# Altium PCB OneBox.PcbDoc (part 4 of 13)
Units mm, origin at the board's own origin, x right, y up, seen from the top; angles counter-clockwise.
Board outline 101 x 69 mm, 6 copper layers (L1_Sig, L2_Gnd, L3_Pow, L4_Sig, L5_Gnd, L6_Sig), stack 1.538 mm thick; 766 components, 563 nets, 3133 pads, 2914 vias.
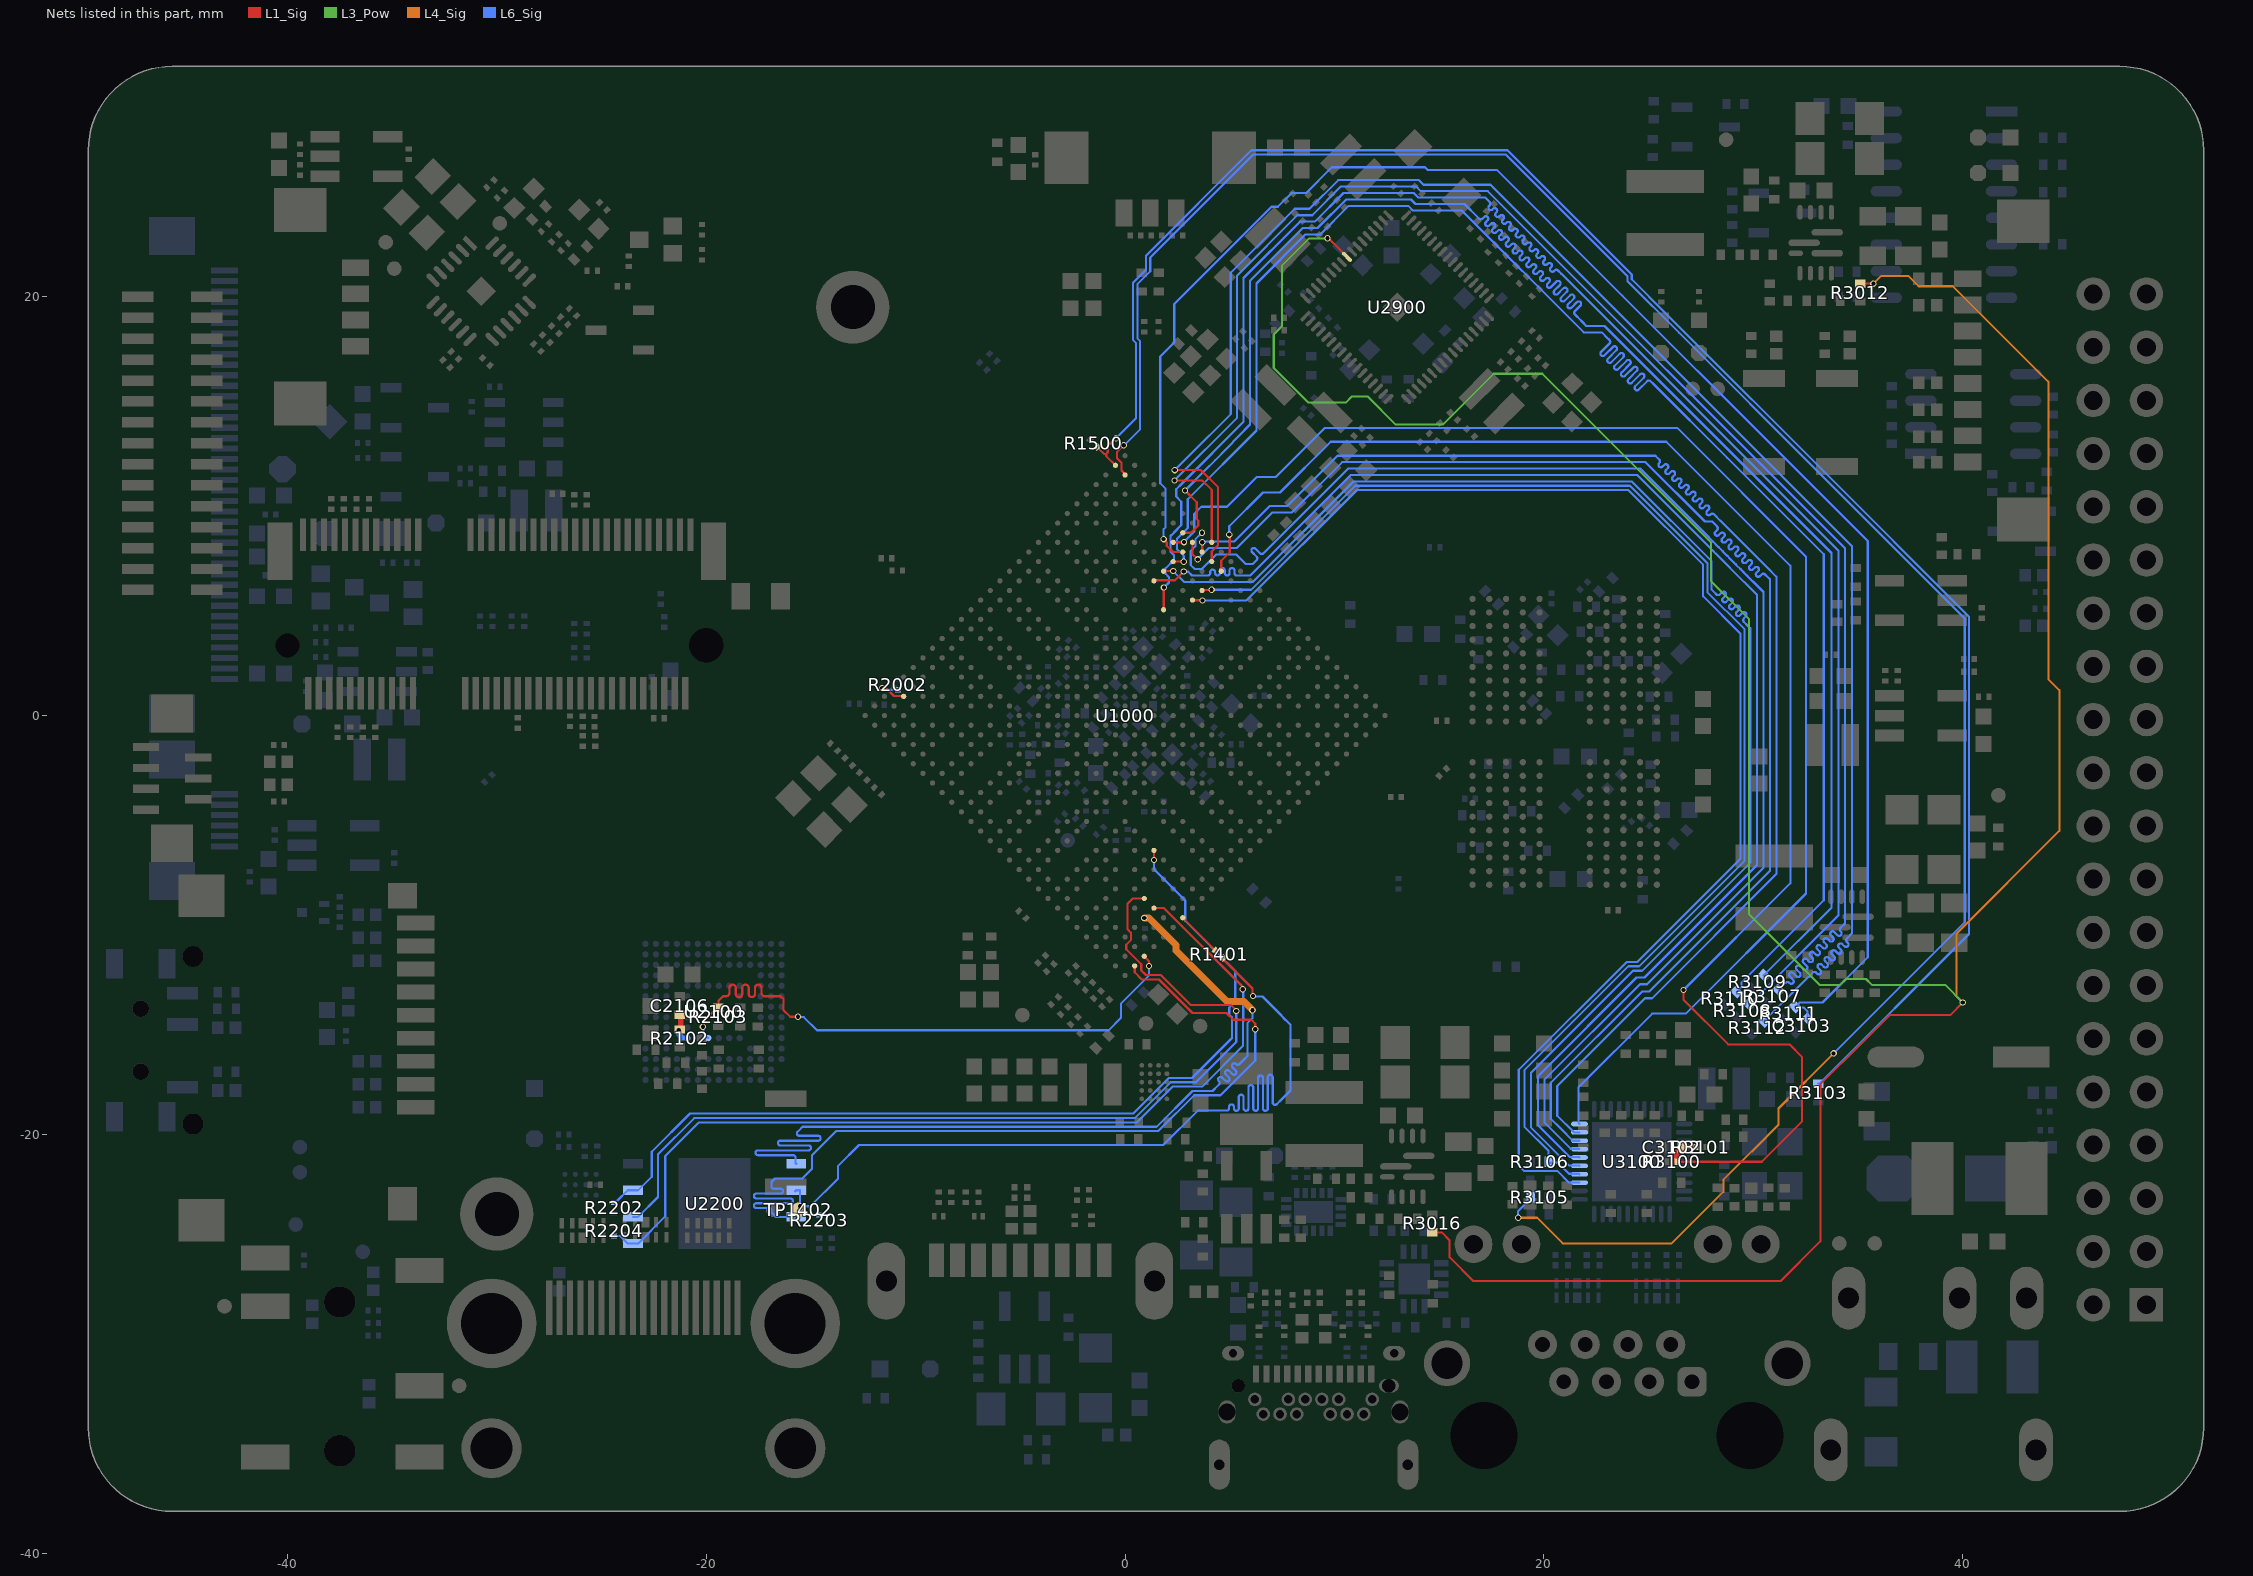
[diagram p8: the nets of this part, all layers, seen from the top]

## Via types
v1: diameter 0.3, hole 0.2, L1_Sig to L6_Sig, tented both sides, 2711 vias
v2: diameter 0.5, hole 0.3, L1_Sig to L6_Sig, tented both sides, 199 vias
v3: diameter 0.305, hole 0.203, L1_Sig to L6_Sig, tented both sides, 4 vias

## Nets (pads, with @x,y where several pads share a name; then routed paths per layer and width w, separated by ;. In a path a pad name is that pad's centre, name@x,y a point inside that pad or via, vN(x,y) a via of type N, cw(c..) or ccw(c..) an arc to the next point about the centre after c; other vN are vias at no path point) (continued)
eMMC_DATA_STROBE/FLASH_CLE: R2103.1 U1000.A26 U2100.H5 | length 29.1
  L1_Sig w0.104: v1(-20.16,-14.86) -20.16,-14.628 -19.61,-14.078 -19.61,-14.07 -19.462,-13.922 -19.412,-13.922 -19.412,-13.61 -19.202,-13.4 -19.1,-13.4 -19.048,-13.4 ccw(c-19.048,-13.246) -18.894,-13.246 -18.894,-12.997 cw(c-18.741,-12.997) -18.587,-12.997 -18.587,-13.283 ccw(c-18.433,-13.283) -18.28,-13.283 -18.28,-12.997 cw(c-18.126,-12.997) -17.972,-12.997 -17.972,-13.283 ccw(c-17.819,-13.283) -17.665,-13.283 -17.665,-12.997 cw(c-17.511,-12.997) -17.358,-12.997 -17.358,-13.246 ccw(c-17.204,-13.246) -17.204,-13.4 -16.603,-13.4 -16.429,-13.4 -16.306,-13.524 -16.306,-14.062 -15.986,-14.381 v1(-15.618,-14.381) ; U1000.A26@0.919,-11.491 0.919,-11.505 1.147,-11.733 v1@1.147,-11.956
  L6_Sig w0.104: v1(-20.16,-14.86) -20.132,-14.888 -20.132,-15.168 U2100.H5@-19.9,-15.4 ; v1(-15.618,-14.381) -15.604,-14.395 -15.339,-14.395 -14.71,-15.024 -0.784,-15.024 -0.2,-14.441 -0.2,-13.755 1.15,-12.405 1.15,-11.959 v1(1.148,-11.957)
eMMC_RSTn: C2106.1 R2102.1 U2100.K5 | length 1.5
  L1_Sig w0.254: v1(-21.31,-15.027) -21.294,-15.011 -21.239,-15.011 R2102.1@-21.195,-14.967 ; R2102.1@-21.223,-14.94 -21.211,-14.928 -21.211,-14.311 C2106.1@-21.15,-14.25
  L6_Sig w0.254: v1(-21.31,-15.027) -21.301,-15.036 -21.301,-15.233 -21.138,-15.395 -20.905,-15.395 U2100.K5@-20.9,-15.4
eMMC_RSTn/FSPI_D2/FLASH_WPn: R2202.2 U1000.F20 U2200.3 | length 44.2
  L1_Sig w0.104: v1(1.379,-6.894) U1000.F20@1.379,-6.435
  L6_Sig w0.104: R2202.2@-24.4,-23.25 -24.327,-23.177 -24.262,-23.177 -23.75,-22.665 -23.25,-22.665 -22.6,-22.015 -22.6,-20.825 -20.775,-19 0.395,-19 2.091,-17.304 3.196,-17.304 5.107,-15.393 5.107,-14.408 4.979,-14.281 4.979,-13.952 5.263,-13.668 5.263,-12.19 2.87,-9.797 2.87,-8.825 1.379,-7.333 v1(1.379,-6.894)
EXT_EN: R3012.2 R3016.2 U2900.60 | length 146.3
  L1_Sig w0.102: v1(9.666,22.789) 9.711,22.789 U2900.60@10.596,21.904 ; R3016.2@14.671,-24.676 15.116,-24.676 15.5,-25.06 15.5,-25.867 16.633,-27 31.3,-27 33.2,-25.1 33.2,-17.6 35.234,-15.566 36.5,-14.3 39.4,-14.3 v1(40,-13.7) ; R3012.2@35.15,20.625 35.152,20.627 v1(35.73,20.627)
  L1_Sig w0.152: R3012.2@35.1,20.625 R3012.2@35.15,20.625
  L3_Pow w0.102: v1(9.666,22.789) 8.789,22.789 7.5,21.5 7.5,18.6 7.1,18.2 7.1,16.6 8.757,14.943 10.538,14.943 10.83,15.234 11.589,15.234 12.928,13.895 15.174,13.895 17.6,16.321 19.923,16.321 27.97,8.274 27.97,6.43 29.8,4.6 29.8,-9.5 33.158,-12.858 34.142,-12.858 34.423,-12.577 35.377,-12.577 35.658,-12.858 39.158,-12.858 v1(40,-13.7)
  L4_Sig w0.102: v1(35.73,20.627) 36.1,20.997 37.403,20.997 37.9,20.5 39.524,20.5 44.084,15.94 44.084,1.743 44.611,1.215 44.611,-5.501 39.7,-10.413 39.7,-13.4 v1(40,-13.7)
FLASH_VOL_SEL: R2002.1 U1000.AG25 | length 2
  L1_Sig w0.102: v1(-11.593,1.319) -11.555,1.281 -11.379,1.281 -11.034,0.935 -10.587,0.935 U1000.AG25@-10.571,0.919
  L6_Sig w0.102: v1(-11.593,1.319) -11.555,1.281 -11.483,1.281 -11.436,1.234 R2002.1@-10.843,1.234
FSPI_CLK/FLASH_ALE: R1401.1 TP1402.1 U2200.6 | length 45
  L1_Sig w0.104: R1401.1@4.677,-11.577 4.677,-11.622 6.083,-13.028 6.083,-13.359 v1(6.11,-13.386)
  L6_Sig w0.104: U2200.6@-15.745,-22.71 U2200.6@-15.7,-22.665 U2200.6@-15.573,-22.665 ; U2200.6@-15.528,-22.665 U2200.6@-15.573,-22.665 ; v1(6.11,-13.386) 6.139,-13.415 6.56,-13.415 7.468,-14.324 7.468,-14.337 7.663,-14.532 7.676,-14.532 7.9,-14.755 7.9,-17.9 7.471,-18.329 7.245,-18.555 cw(c7.163,-18.473) 7.048,-18.473 7.048,-17.262 ccw(c6.932,-17.262) 6.817,-17.262 6.817,-18.755 cw(c6.701,-18.755) 6.586,-18.755 6.586,-17.294 ccw(c6.47,-17.294) 6.354,-17.294 6.354,-18.755 cw(c6.239,-18.755) 6.123,-18.755 6.123,-17.756 ccw(c6.008,-17.756) 5.892,-17.756 5.892,-18.755 cw(c5.777,-18.755) 5.661,-18.755 5.661,-18.218 ccw(c5.546,-18.218) 5.43,-18.218 5.43,-18.755 cw(c5.314,-18.755) 5.199,-18.755 5.199,-18.681 ccw(c5.083,-18.681) 4.968,-18.681 4.968,-18.745 cw(c4.852,-18.745) 4.852,-18.861 4.8,-18.861 3.464,-18.861 1.825,-20.5 -12.7,-20.5 -13.7,-21.5 -13.7,-22.1 -15.03,-23.43 v1(-15.528,-23.43) -15.528,-22.71 U2200.6@-15.573,-22.665
FSPI_CLK/FLASH_ALE_SOC: R1401.2 U1000.A22 | length 2.2
  L1_Sig w0.102: U1000.A22@2.758,-9.652 3.728,-10.623 3.728,-10.628 R1401.2@4.323,-11.223
FSPI_CS0n/FLASH_CS0n: R2204.2 U1000.C23 U2200.1 | length 44.4
  L1_Sig w0.104: U1000.C23@1.379,-9.192 1.863,-9.192 5.585,-12.915 5.585,-13.027 v1(5.623,-13.064)
  L6_Sig w0.104: R2204.2@-24.4,-24.85 -24.094,-24.85 -23.923,-25.021 -23.923,-25.032 -23.75,-25.205 U2200.1@-23.5,-25.205 -23.25,-25.205 -21.954,-23.909 -21.954,-21.027 -20.352,-19.425 0.552,-19.425 2.262,-17.715 3.685,-17.715 5.634,-15.766 5.634,-14.607 5.642,-14.599 5.642,-13.084 v1(5.623,-13.064)
FSPI_D0/FLASH_RDY: U1000.C24 U2200.5 | length 44.4
  L1_Sig w0.104: v1(0.919,-9.664) U1000.C24@0.919,-9.652
  L4_Sig w0.33: v1(0.919,-9.664) 1.136,-9.664 2.426,-10.953 2.426,-11.226 4.859,-13.659 5.672,-13.659 v1(6.078,-14.065)
  L6_Sig w0.104: U2200.5@-15.7,-21.395 -15.734,-21.361 -15.734,-21.157 -15.734,-21.105 ccw(c-15.849,-21.105) -15.849,-20.989 -17.53,-20.989 cw(c-17.53,-20.874) -17.53,-20.758 -15.115,-20.758 ccw(c-15.115,-20.643) -15.115,-20.527 -16.456,-20.527 cw(c-16.456,-20.411) -16.456,-20.296 -14.652,-20.296 ccw(c-14.652,-20.18) -14.652,-20.065 -15.553,-20.065 cw(c-15.553,-19.949) -15.635,-19.867 -15.465,-19.697 -15.398,-19.631 1.507,-19.631 3.217,-17.921 4.179,-17.921 4.445,-17.655 4.482,-17.618 ccw(c4.4,-17.537) 4.482,-17.455 4.48,-17.453 cw(c4.562,-17.372) 4.48,-17.29 cw(c4.562,-17.372) 4.644,-17.29 4.792,-17.438 ccw(c4.874,-17.357) 4.956,-17.438 ccw(c4.874,-17.357) 4.956,-17.275 4.807,-17.127 cw(c4.889,-17.045) 4.807,-16.963 cw(c4.889,-17.045) 4.971,-16.963 5.119,-17.112 ccw(c5.201,-17.03) 5.283,-17.112 ccw(c5.201,-17.03) 5.283,-16.948 5.134,-16.8 cw(c5.216,-16.718) 5.134,-16.636 cw(c5.216,-16.718) 5.298,-16.636 5.299,-16.638 ccw(c5.381,-16.556) 5.462,-16.638 5.7,-16.4 5.84,-16.26 5.84,-14.693 6.078,-14.455 v1(6.078,-14.065)
FSPI_D1/FLASH_RDn: U1000.D23 U2200.2 | length 44.8
  L1_Sig w0.104: U1000.D23@0.919,-8.733 0.367,-8.733 0.118,-8.982 0.118,-10.202 0.279,-10.364 0.279,-10.721 0.058,-10.942 0.058,-11.155 0.775,-11.871 0.775,-12.168 0.996,-12.389 1.701,-12.389 3.122,-13.811 5.046,-13.811 5.311,-14.076 v1(5.311,-14.103)
  L6_Sig w0.104: U2200.2@-23.5,-23.935 -23.25,-23.935 -22.3,-22.985 -22.3,-20.944 -20.575,-19.22 0.466,-19.22 2.177,-17.509 3.391,-17.509 5.313,-15.587 v1(5.311,-14.103) v1(5.311,-14.103)
FSPI_D3/FLASH_CS1n: R2203.2 U1000.A27 U2200.7 | length 44.6
  L1_Sig w0.104: U1000.A27@0.46,-11.95 0.46,-12.258 0.802,-12.6 1.621,-12.6 3.221,-14.2 4.839,-14.2 5.162,-14.523 6.033,-14.523 6.218,-14.707 v1(6.218,-14.977)
  L6_Sig w0.104: R2203.2@-14.6,-23.85 -15.615,-23.85 U2200.7@-15.7,-23.935 -16.677,-23.935 -16.885,-23.727 -16.885,-23.685 -16.885,-23.633 ccw(c-17,-23.633) -17,-23.517 -17.606,-23.517 cw(c-17.606,-23.401) -17.606,-23.286 -15.974,-23.286 ccw(c-15.974,-23.17) -15.974,-23.055 -17.606,-23.055 cw(c-17.606,-22.939) -17.606,-22.824 -16.444,-22.824 ccw(c-16.444,-22.708) -16.444,-22.592 -16.769,-22.592 cw(c-16.769,-22.477) -16.885,-22.477 -16.885,-22.268 -16.717,-22.1 -15.412,-22.1 -14.947,-21.635 -14.947,-20.997 -13.787,-19.837 1.592,-19.837 3.302,-18.126 4.559,-18.126 4.764,-17.921 6.218,-16.467 v1(6.218,-14.977)
GMAC1_INT/PMEB_GPIO3_A7: R1500.2 R3103.2 U1000.AH2 | length 87.7
  L1_Sig w0.102: R1500.2@-1.323,12.823 -1.323,12.819 -1.005,12.5 -0.9,12.5 ; U1000.AH2@-0.46,11.95 -0.9,12.391 -0.9,12.5 ; v1(-0.433,13.242) -0.437,13.242 -0.823,12.856 -0.823,12.577 -0.9,12.5
  L6_Sig w0.102: v1(-0.433,13.242) 0.514,14.189 0.514,17.798 0.383,17.929 0.383,20.683 0.997,21.297 0.997,21.959 6.031,26.993 18.264,26.993 24.193,21.065 24.193,20.828 25.797,19.225 26.538,18.483 26.541,18.483 33.386,11.639 39.986,5.039 40.3,4.724 40.3,-10.425 33.15,-17.575 R3103.2@33.1,-17.575
GMAC1_MCLKINOUT_M1: C3102.2 R3100.2 R3101.1 U1000.U2 | length 74.2
  L1_Sig w0.102: R3100.2@26.35,-21.3 30.402,-21.3 32.329,-19.374 32.329,-16.306 31.722,-15.7 28.8,-15.7 26.664,-13.564 v1(26.664,-13.106)
  L1_Sig w0.104: U1000.U2@4.596,6.894 4.596,7.394 4.995,7.793 4.995,8.625 v1(4.979,8.642)
  L1_Sig w0.254: R3100.2@26.35,-21.3 26.35,-20.85 26.55,-20.65 C3102.2@26.55,-20.6 R3101.1@27.25,-20.6
  L6_Sig w0.104: v1(4.979,8.642) 4.979,9.042 6.587,10.65 7.398,10.65 9.823,13.075 15.423,13.075 17.566,13.075 25.845,13.075 31.768,7.151 31.768,0.469 31.768,-8.002 v1(26.664,-13.106)
GMAC1_MDC_M1: U1000.U5 U3100.13 | length 65.4
  L1_Sig w0.102: U1000.U5@3.217,5.515 3.225,5.508 3.692,5.508 v1(3.7,5.5)
  L6_Sig w0.102: v1(3.7,5.5) 5.8,5.5 11.074,10.774 24.026,10.774 27.6,7.2 27.6,5.7 29.382,3.918 29.382,-6.844 24.46,-11.766 23.947,-11.766 18.8,-16.912 18.8,-21.491 19.062,-21.752 20.652,-21.752 21.201,-22.301 U3100.13@21.701,-22.301
GMAC1_MDIO_M1: R3106.1 U1000.U4 U3100.14 | length 63.9
  L1_Sig w0.102: U1000.U4@3.677,5.975 3.693,5.991 4.118,5.991 v1(4.134,6.007)
  L6_Sig w0.102: v1(4.134,6.007) 6.019,6.007 10.99,10.978 24.11,10.978 27.803,7.284 27.803,5.897 29.585,4.115 29.585,-6.928 24.544,-11.969 24.031,-11.969 19.067,-16.933 19.067,-19.631 20.225,-20.789 R3106.1@20.225,-21.3 ; R3106.1@20.225,-21.35 20.668,-21.35 21.195,-21.877 21.678,-21.877 U3100.14@21.701,-21.899
GMAC1_RSTn_GPIO3_B0: R3105.1 U1000.AG2 | length 106.3
  L1_Sig w0.102: v1(-0.063,12.913) -0.065,12.913 -0.384,12.594 -0.384,12.284 -0.172,12.072 -0.172,11.703 0,11.531 U1000.AG2@0,11.491
  L4_Sig w0.102: v1(18.77,-23.977) 19.677,-23.977 20.9,-25.2 26.1,-25.2 28.567,-22.733 28.567,-22.164 31.2,-19.531 31.2,-18.76 v1(33.833,-16.127)
  L6_Sig w0.102: v1(-0.063,12.913) -0.04,12.913 0.718,13.671 0.718,17.882 0.587,18.013 0.587,20.599 1.2,21.213 1.2,21.875 6.115,26.79 18.18,26.79 23.99,20.98 23.99,20.744 26.454,18.28 26.457,18.28 33.182,11.555 40.097,4.64 40.097,-9.863 v1(33.833,-16.127) ; v1(18.77,-23.977) 18.77,-23.655 19.375,-23.05 R3105.1@19.375,-23
GMAC1_RXCLK_M1: C3103.2 R3111.2 U1000.Y3 | length 81.5
  L1_Sig w0.104: v1(1.842,8.427) 1.842,8.416 1.991,8.268 1.991,8.109 2.286,7.814 U1000.Y3@2.758,7.814
  L6_Sig w0.104: v1(1.842,8.427) 1.842,8.9 1.938,8.995 1.938,10.836 1.677,11.097 1.677,17.144 2.351,17.818 2.351,19.651 6.993,24.293 7.296,24.293 7.949,24.947 8.642,24.947 9.875,26.179 14.321,26.179 14.442,26.058 17.742,26.058 23.747,20.053 23.747,20.051 30.887,12.911 30.889,12.911 35.46,8.34 35.46,-11.54 33.3,-13.7 32.219,-13.7 32.019,-13.899 R3111.2@32.001,-13.899 32.036,-13.935 32.399,-13.935 32.583,-14.118 32.583,-14.446 C3103.2@32.618,-14.482
GMAC1_RXD0_M1: R3107.2 U1000.W1 | length 80.4
  L1_Sig w0.104: v1(2.356,11.225) 3.689,11.225 4.137,10.778 U1000.W1@4.137,8.273
  L6_Sig w0.104: v1(2.356,11.225) 5.351,14.221 5.351,21.018 8.226,23.893 8.935,23.893 10.302,25.26 13.905,25.26 14.122,25.043 17.322,25.043 34.374,7.992 34.374,-9.926 34.2,-10.1 34.163,-10.137 ccw(c34.245,-10.219) 34.163,-10.3 34.182,-10.32 cw(c34.101,-10.401) 34.182,-10.483 cw(c34.101,-10.401) 34.019,-10.483 33.867,-10.331 ccw(c33.785,-10.413) 33.704,-10.331 ccw(c33.785,-10.413) 33.704,-10.494 33.802,-10.593 cw(c33.72,-10.674) 33.802,-10.756 cw(c33.72,-10.674) 33.638,-10.756 33.54,-10.658 ccw(c33.458,-10.74) 33.377,-10.658 ccw(c33.458,-10.74) 33.377,-10.821 33.475,-10.919 cw(c33.393,-11.001) 33.475,-11.083 cw(c33.393,-11.001) 33.311,-11.083 33.213,-10.985 ccw(c33.132,-11.067) 33.05,-10.985 ccw(c33.132,-11.067) 33.05,-11.148 33.148,-11.246 cw(c33.066,-11.328) 33.148,-11.41 cw(c33.066,-11.328) 32.985,-11.41 32.886,-11.312 ccw(c32.805,-11.393) 32.723,-11.312 ccw(c32.805,-11.393) 32.723,-11.475 32.821,-11.573 cw(c32.739,-11.655) 32.821,-11.737 cw(c32.739,-11.655) 32.658,-11.737 32.56,-11.639 ccw(c32.478,-11.72) 32.396,-11.639 ccw(c32.478,-11.72) 32.396,-11.802 32.548,-11.954 cw(c32.466,-12.036) 32.548,-12.117 cw(c32.466,-12.036) 32.385,-12.117 32.233,-11.965 ccw(c32.151,-12.047) 32.069,-11.965 ccw(c32.151,-12.047) 32.069,-12.129 32.221,-12.281 cw(c32.139,-12.363) 32.221,-12.444 cw(c32.139,-12.363) 32.058,-12.444 31.906,-12.292 ccw(c31.824,-12.374) 31.742,-12.292 ccw(c31.824,-12.374) 31.742,-12.456 31.894,-12.608 cw(c31.813,-12.689) 31.894,-12.771 cw(c31.813,-12.689) 31.731,-12.771 31.712,-12.752 ccw(c31.63,-12.834) 31.548,-12.752 31.311,-12.989 R3107.2@31.201,-13.099
GMAC1_RXD1_M1: R3108.2 U1000.V7 | length 81.9
  L1_Sig w0.104: U1000.V7@1.838,5.056 1.846,5.063 1.846,6.105 v1(1.854,6.113)
  L6_Sig w0.104: v1(1.854,6.113) 2.1,6.359 2.1,6.611 1.938,6.773 1.938,7.037 2.333,7.431 2.333,7.663 2.174,7.821 2.174,8.578 2.333,8.736 2.333,8.744 2.685,9.097 2.685,10.215 2.441,10.459 2.441,10.81 2.716,11.085 5.659,14.028 5.659,20.891 8.353,23.585 9.062,23.585 10.429,24.953 13.778,24.953 13.995,24.736 17.195,24.736 17.207,24.724 17.244,24.687 17.407,24.523 cw(c17.325,24.442) 17.407,24.36 17.38,24.333 ccw(c17.462,24.251) 17.38,24.17 ccw(c17.462,24.251) 17.544,24.17 17.571,24.197 cw(c17.652,24.115) 17.734,24.197 cw(c17.652,24.115) 17.734,24.033 17.707,24.006 ccw(c17.789,23.924) 17.707,23.843 ccw(c17.789,23.924) 17.87,23.843 17.898,23.87 cw(c17.979,23.788) 18.061,23.87 cw(c17.979,23.788) 18.061,23.706 18.034,23.679 ccw(c18.116,23.597) 18.034,23.516 ccw(c18.116,23.597) 18.197,23.516 18.224,23.543 cw(c18.306,23.461) 18.388,23.543 cw(c18.306,23.461) 18.388,23.379 18.361,23.352 ccw(c18.443,23.271) 18.361,23.189 ccw(c18.443,23.271) 18.524,23.189 18.551,23.216 cw(c18.633,23.134) 18.715,23.216 cw(c18.633,23.134) 18.715,23.053 18.688,23.025 ccw(c18.769,22.944) 18.688,22.862 ccw(c18.769,22.944) 18.851,22.862 18.878,22.889 cw(c18.96,22.807) 19.042,22.889 cw(c18.96,22.807) 19.042,22.726 19.015,22.699 ccw(c19.096,22.617) 19.015,22.535 ccw(c19.096,22.617) 19.178,22.535 19.205,22.562 cw(c19.287,22.48) 19.369,22.562 cw(c19.287,22.48) 19.369,22.399 19.341,22.372 ccw(c19.423,22.29) 19.341,22.208 ccw(c19.423,22.29) 19.505,22.208 19.532,22.235 cw(c19.614,22.154) 19.695,22.235 cw(c19.614,22.154) 19.695,22.072 19.668,22.045 ccw(c19.75,21.963) 19.668,21.881 ccw(c19.75,21.963) 19.832,21.881 19.859,21.908 cw(c19.941,21.827) 20.022,21.908 cw(c19.941,21.827) 20.022,21.745 19.995,21.718 ccw(c20.077,21.636) 19.995,21.554 ccw(c20.077,21.636) 20.159,21.554 20.186,21.582 cw(c20.267,21.5) 20.349,21.582 cw(c20.267,21.5) 20.349,21.418 20.322,21.391 ccw(c20.404,21.309) 20.322,21.228 ccw(c20.404,21.309) 20.486,21.228 20.513,21.255 cw(c20.594,21.173) 20.676,21.255 20.831,21.1 20.868,21.063 34.063,7.868 34.063,-9.537 R3108.2@29.801,-13.799
GMAC1_RXD2_M1: R3109.2 U1000.AA2 | length 80.9
  L1_Sig w0.104: U1000.AA2@2.758,8.733 3.152,8.733 3.333,8.914 3.496,9.077 3.496,9.308 3.422,9.382 3.422,10.185 v1(2.862,10.745)
  L6_Sig w0.104: v1(2.862,10.745) 3.794,11.69 cw(c4.14,11.348) 3.797,11.693 4.303,12.199 ; 4.303,12.199 5.966,13.901 5.966,20.764 8.48,23.278 9.19,23.278 10.557,24.645 13.651,24.645 13.867,24.429 16.206,24.429 16.867,23.767 16.904,23.731 ccw(c16.986,23.812) 17.068,23.73 17.146,23.809 cw(c17.228,23.728) 17.31,23.809 cw(c17.228,23.728) 17.31,23.646 17.231,23.567 ccw(c17.313,23.485) 17.231,23.404 ccw(c17.313,23.485) 17.394,23.404 17.473,23.482 cw(c17.555,23.401) 17.637,23.482 cw(c17.555,23.401) 17.637,23.319 17.558,23.24 ccw(c17.64,23.158) 17.558,23.077 ccw(c17.64,23.158) 17.721,23.077 17.8,23.155 cw(c17.882,23.074) 17.964,23.155 cw(c17.882,23.074) 17.964,22.992 17.885,22.913 ccw(c17.967,22.832) 17.885,22.75 ccw(c17.967,22.832) 18.048,22.75 18.127,22.829 cw(c18.209,22.747) 18.29,22.829 cw(c18.209,22.747) 18.29,22.665 18.212,22.586 ccw(c18.293,22.505) 18.212,22.423 ccw(c18.293,22.505) 18.375,22.423 18.454,22.502 cw(c18.536,22.42) 18.617,22.502 cw(c18.536,22.42) 18.617,22.338 18.539,22.26 ccw(c18.62,22.178) 18.539,22.096 ccw(c18.62,22.178) 18.702,22.096 18.781,22.175 cw(c18.862,22.093) 18.944,22.175 cw(c18.862,22.093) 18.944,22.011 18.865,21.933 ccw(c18.947,21.851) 18.865,21.769 ccw(c18.947,21.851) 19.029,21.769 19.108,21.848 cw(c19.189,21.766) 19.271,21.848 cw(c19.189,21.766) 19.271,21.685 19.192,21.606 ccw(c19.274,21.524) 19.192,21.442 ccw(c19.274,21.524) 19.356,21.442 19.435,21.521 cw(c19.516,21.439) 19.598,21.521 cw(c19.516,21.439) 19.598,21.358 19.519,21.279 ccw(c19.601,21.197) 19.519,21.115 ccw(c19.601,21.197) 19.683,21.115 19.761,21.194 cw(c19.843,21.112) 19.925,21.194 cw(c19.843,21.112) 19.925,21.031 19.846,20.952 ccw(c19.928,20.87) 19.846,20.789 ccw(c19.928,20.87) 20.01,20.789 20.088,20.867 cw(c20.17,20.786) 20.252,20.867 cw(c20.17,20.786) 20.252,20.704 20.173,20.625 ccw(c20.255,20.543) 20.173,20.462 ccw(c20.255,20.543) 20.336,20.462 20.6,20.725 cw(c20.682,20.644) 20.763,20.725 cw(c20.682,20.644) 20.763,20.562 20.5,20.298 ccw(c20.582,20.217) 20.5,20.135 ccw(c20.582,20.217) 20.663,20.135 20.927,20.398 cw(c21.009,20.317) 21.09,20.398 cw(c21.009,20.317) 21.09,20.235 20.827,19.971 ccw(c20.908,19.89) 20.827,19.808 ccw(c20.908,19.89) 20.99,19.808 21.254,20.071 cw(c21.335,19.99) 21.417,20.071 cw(c21.335,19.99) 21.417,19.908 21.154,19.644 ccw(c21.235,19.563) 21.154,19.481 ccw(c21.235,19.563) 21.317,19.481 21.581,19.745 cw(c21.662,19.663) 21.744,19.745 cw(c21.662,19.663) 21.744,19.581 21.48,19.318 ccw(c21.562,19.236) 21.48,19.154 21.781,18.854 21.817,18.817 22.027,18.607 22.889,18.607 33.73,7.766 33.73,-9.17 R3109.2@30.501,-12.399
GMAC1_RXD3_M1: R3110.2 U1000.Y4 | length 82
  L1_Sig w0.104: U1000.Y4@2.298,7.354 2.3,7.352 2.802,7.352 v1(2.804,7.35)
  L6_Sig w0.104: v1(2.804,7.35) 2.804,7.626 2.481,7.948 2.481,8.45 2.993,8.962 2.993,10.331 6.273,13.612 6.273,20.636 8.608,22.971 9.317,22.971 10.684,24.338 13.524,24.338 13.74,24.121 16.079,24.121 21.9,18.3 22.761,18.3 22.931,18.131 22.968,18.094 23.131,17.93 cw(c23.049,17.849) 23.131,17.767 22.729,17.365 ccw(c22.811,17.283) 22.729,17.202 ccw(c22.811,17.283) 22.892,17.202 23.294,17.604 cw(c23.376,17.522) 23.458,17.604 cw(c23.376,17.522) 23.458,17.44 23.056,17.038 ccw(c23.138,16.956) 23.056,16.875 ccw(c23.138,16.956) 23.219,16.875 23.621,17.277 cw(c23.703,17.195) 23.785,17.277 cw(c23.703,17.195) 23.785,17.113 23.383,16.711 ccw(c23.464,16.63) 23.383,16.548 ccw(c23.464,16.63) 23.546,16.548 23.948,16.95 cw(c24.03,16.868) 24.112,16.95 cw(c24.03,16.868) 24.112,16.786 23.71,16.384 ccw(c23.791,16.303) 23.71,16.221 ccw(c23.791,16.303) 23.873,16.221 24.275,16.623 cw(c24.357,16.541) 24.439,16.623 cw(c24.357,16.541) 24.439,16.459 24.037,16.058 ccw(c24.118,15.976) 24.037,15.894 ccw(c24.118,15.976) 24.2,15.894 24.602,16.296 cw(c24.684,16.214) 24.765,16.296 cw(c24.684,16.214) 24.765,16.133 24.363,15.731 ccw(c24.445,15.649) 24.363,15.567 ccw(c24.445,15.649) 24.527,15.567 24.929,15.969 cw(c25.011,15.887) 25.092,15.969 25.194,15.868 25.231,15.831 28.749,12.312 33.359,7.703 33.359,-8.821 29.428,-12.752 29.428,-12.972 R3110.2@29.201,-13.199
GMAC1_RXDV_CRS_M1: R3112.2 U1000.V2 | length 82.4
  L1_Sig w0.104: v1(2.377,11.72) 3.628,11.72 4.444,10.905 4.444,8.146 4.137,7.839 U1000.V2@4.137,7.354
  L6_Sig w0.104: v1(2.377,11.72) 2.377,11.728 3.041,12.392 5.044,14.395 5.044,21.146 8.099,24.2 8.808,24.2 10.175,25.567 14.033,25.567 14.249,25.351 17.449,25.351 34.709,8.091 34.709,-10.391 34.5,-10.6 34.463,-10.637 ccw(c34.545,-10.719) 34.463,-10.8 34.509,-10.846 cw(c34.428,-10.928) 34.509,-11.01 cw(c34.428,-10.928) 34.346,-11.01 34.246,-10.91 ccw(c34.164,-10.992) 34.082,-10.91 ccw(c34.164,-10.992) 34.082,-11.073 34.183,-11.173 cw(c34.101,-11.255) 34.183,-11.337 cw(c34.101,-11.255) 34.019,-11.337 33.919,-11.237 ccw(c33.837,-11.319) 33.756,-11.237 ccw(c33.837,-11.319) 33.756,-11.4 33.856,-11.5 cw(c33.774,-11.582) 33.856,-11.664 cw(c33.774,-11.582) 33.692,-11.664 33.592,-11.564 ccw(c33.51,-11.645) 33.429,-11.564 ccw(c33.51,-11.645) 33.429,-11.727 33.529,-11.827 cw(c33.447,-11.909) 33.529,-11.991 cw(c33.447,-11.909) 33.365,-11.991 33.265,-11.891 ccw(c33.184,-11.972) 33.102,-11.891 ccw(c33.184,-11.972) 33.102,-12.054 33.202,-12.154 cw(c33.12,-12.236) 33.202,-12.317 cw(c33.12,-12.236) 33.038,-12.317 32.992,-12.271 ccw(c32.91,-12.353) 32.829,-12.271 32.4,-12.7 R3112.2@30.501,-14.599
GMAC1_TXCLK_M1: U1000.AA3 U3100.20 | length 68.1
  L1_Sig w0.104: U1000.AA3@2.298,8.273 2.303,8.278 2.808,8.278 v1(2.813,8.284)
  L6_Sig w0.104: v1(2.813,8.284) 2.813,8.307 3.3,8.794 3.3,9.624 3.644,9.969 4.869,9.969 6.294,11.394 7.198,11.394 9.301,13.497 9.543,13.738 26.362,13.738 32.51,7.59 32.51,-8.49 26.771,-14.229 25.171,-14.229 21.646,-17.754 21.646,-19.446 U3100.20@21.701,-19.499
GMAC1_TXD0_M1: U1000.Y2 U3100.18 | length 68
  L1_Sig w0.104: U1000.Y2@3.217,8.273 3.217,7.71 v1(3.467,7.46)
  L6_Sig w0.104: v1(3.467,7.46) 3.467,7.479 3.991,8.003 5.337,8.003 7.035,9.7 7.963,9.7 10.367,12.104 24.854,12.104 27.689,9.269 27.797,9.269 ccw(c27.871,9.685) 27.945,9.269 28.031,9.269 28.071,9.229 28.107,9.193 28.271,9.029 cw(c28.189,8.947) 28.271,8.866 28.19,8.785 ccw(c28.272,8.703) 28.19,8.621 ccw(c28.272,8.703) 28.353,8.621 28.434,8.702 cw(c28.516,8.62) 28.598,8.702 cw(c28.516,8.62) 28.598,8.539 28.517,8.458 ccw(c28.599,8.376) 28.517,8.294 ccw(c28.599,8.376) 28.68,8.294 28.761,8.375 cw(c28.843,8.294) 28.925,8.375 cw(c28.843,8.294) 28.925,8.212 28.844,8.131 ccw(c28.926,8.049) 28.844,7.968 ccw(c28.926,8.049) 29.007,7.968 29.088,8.048 cw(c29.17,7.967) 29.252,8.048 cw(c29.17,7.967) 29.252,7.885 29.171,7.804 ccw(c29.252,7.722) 29.171,7.641 ccw(c29.252,7.722) 29.334,7.641 29.415,7.722 cw(c29.497,7.64) 29.578,7.722 cw(c29.497,7.64) 29.578,7.558 29.498,7.477 ccw(c29.579,7.395) 29.498,7.314 ccw(c29.579,7.395) 29.661,7.314 29.742,7.395 cw(c29.824,7.313) 29.905,7.395 cw(c29.824,7.313) 29.905,7.231 29.824,7.15 ccw(c29.906,7.069) 29.824,6.987 ccw(c29.906,7.069) 29.988,6.987 30.069,7.068 cw(c30.151,6.986) 30.232,7.068 cw(c30.151,6.986) 30.232,6.904 30.151,6.823 ccw(c30.233,6.742) 30.151,6.66 ccw(c30.233,6.742) 30.315,6.66 30.396,6.741 cw(c30.477,6.659) 30.559,6.741 30.711,6.589 30.748,6.552 30.793,6.507 30.793,-7.401 25.022,-13.171 24.691,-13.171 20.328,-17.534 20.328,-19.246 20.8,-19.718 21.381,-20.299 U3100.18@21.701,-20.299
GMAC1_TXD1_M1: U1000.Y1 U3100.17 | length 67
  L6_Sig w0.104: v1(3.675,8.734) 3.356,8.415 3.356,8.084 3.132,7.859 3.132,7.693 3.136,7.689 3.136,7.186 3.321,7 3.66,7 4.35,7.69 5.31,7.69 5.761,7.239 6.093,7.239 6.16,7.306 6.281,7.427 ccw(c6.2,7.509) 6.281,7.591 6.064,7.808 cw(c6.146,7.89) 6.064,7.971 cw(c6.146,7.89) 6.228,7.971 6.445,7.754 ccw(c6.527,7.836) 6.608,7.754 6.809,7.954 10.651,11.797 24.587,11.797 27.883,8.501 27.883,8.494 28.063,8.314 28.07,8.314 28.089,8.295 28.257,8.127 ccw(c28.599,8.376) 28.349,8.035 28.536,7.847 28.536,7.84 28.716,7.66 28.724,7.66 28.743,7.641 28.844,7.54 28.863,7.52 28.863,7.513 29.043,7.333 29.051,7.333 29.07,7.314 29.171,7.213 29.19,7.194 29.19,7.186 29.37,7.006 29.377,7.006 29.397,6.987 29.498,6.886 29.517,6.867 29.517,6.86 29.697,6.68 29.704,6.68 29.723,6.66 29.891,6.492 ccw(c30.233,6.742) 29.984,6.4 30.485,5.898 30.485,-7.259 24.918,-12.826 24.583,-12.826 20.021,-17.389 20.021,-19.421 21.278,-20.678 21.678,-20.678 U3100.17@21.701,-20.701
GMAC1_TXD2_M1: U1000.Y6 U3100.16 | length 67.3
  L1_Sig w0.104: U1000.Y6@1.379,6.435 1.407,6.463 2.386,6.463 v1(2.805,6.881)
  L6_Sig w0.104: v1(2.805,6.881) 2.816,6.869 3.018,6.869 3.194,6.693 3.9,6.693 3.952,6.693 ccw(c3.952,6.808) 4.068,6.808 4.068,6.857 cw(c4.183,6.857) 4.299,6.857 4.299,6.808 ccw(c4.414,6.808) 4.53,6.808 4.53,6.932 cw(c4.646,6.932) 4.761,6.932 4.761,6.808 ccw(c4.877,6.808) 4.992,6.808 4.992,6.932 cw(c5.108,6.932) 5.223,6.932 5.223,6.808 ccw(c5.339,6.808) 5.339,6.693 5.641,6.693 5.981,6.693 10.778,11.489 24.454,11.489 27.575,8.368 27.575,8.367 27.935,8.007 27.937,8.007 27.948,7.996 28.053,7.891 ccw(c28.599,8.376) 28.113,7.831 28.229,7.715 28.229,7.713 29.57,6.372 29.572,6.372 29.582,6.362 29.687,6.256 ccw(c30.233,6.742) 29.748,6.196 30.178,5.766 30.178,-7.132 24.805,-12.504 24.422,-12.504 19.713,-17.213 19.713,-19.554 21.238,-21.079 21.68,-21.079 U3100.16@21.701,-21.099
GMAC1_TXD3_M1: U1000.Y5 U3100.15 | length 67.8
  L1_Sig w0.104: U1000.Y5@1.838,6.894 1.841,6.897 2.297,6.897 v1(2.3,6.9)
  L6_Sig w0.104: v1@2.246,6.9 v1(2.3,6.9) 2.815,6.385 6.109,6.385 10.906,11.182 24.194,11.182 28.008,7.369 28.008,6.016 28.201,5.822 28.238,5.786 ccw(c28.319,5.867) 28.401,5.786 28.5,5.884 cw(c28.581,5.803) 28.663,5.884 cw(c28.581,5.803) 28.663,5.721 28.547,5.605 ccw(c28.629,5.523) 28.547,5.442 ccw(c28.629,5.523) 28.711,5.442 28.826,5.557 cw(c28.908,5.476) 28.99,5.557 cw(c28.908,5.476) 28.99,5.394 28.874,5.278 ccw(c28.956,5.197) 28.874,5.115 ccw(c28.956,5.197) 29.038,5.115 29.153,5.231 cw(c29.235,5.149) 29.317,5.231 cw(c29.235,5.149) 29.317,5.067 29.201,4.951 ccw(c29.283,4.87) 29.201,4.788 ccw(c29.283,4.87) 29.365,4.788 29.48,4.904 cw(c29.562,4.822) 29.644,4.904 cw(c29.562,4.822) 29.644,4.74 29.545,4.642 ccw(c29.627,4.56) 29.545,4.478 29.72,4.303 29.757,4.266 29.855,4.169 29.855,-7.02 24.688,-12.187 24.254,-12.187 19.376,-17.065 19.376,-19.652 21.213,-21.488 21.688,-21.488 U3100.15@21.701,-21.501
GMAC1_TXEN_M1: U1000.W2 U3100.19 | length 67.2
  L1_Sig w0.104: U1000.W2@3.677,7.814 3.682,7.819 3.682,8.273 v1(3.688,8.278)
  L6_Sig w0.104: v1(3.688,8.278) 3.72,8.31 5.21,8.31 6.907,10.007 7.74,10.007 10.144,12.411 25.294,12.411 25.323,12.411 25.345,12.389 25.509,12.226 cw(c25.427,12.144) 25.509,12.063 25.501,12.055 ccw(c25.583,11.973) 25.501,11.891 ccw(c25.583,11.973) 25.664,11.891 25.742,11.969 cw(c25.824,11.887) 25.905,11.969 cw(c25.824,11.887) 25.905,11.805 25.828,11.728 ccw(c25.91,11.646) 25.828,11.565 ccw(c25.91,11.646) 25.991,11.565 26.069,11.642 cw(c26.151,11.56) 26.232,11.642 cw(c26.151,11.56) 26.232,11.479 26.155,11.401 ccw(c26.237,11.319) 26.155,11.238 ccw(c26.237,11.319) 26.318,11.238 26.375,11.294 cw(c26.457,11.213) 26.538,11.294 cw(c26.457,11.213) 26.538,11.131 26.482,11.074 ccw(c26.563,10.993) 26.482,10.911 ccw(c26.563,10.993) 26.645,10.911 26.72,10.985 cw(c26.801,10.904) 26.883,10.985 cw(c26.801,10.904) 26.883,10.822 26.809,10.747 ccw(c26.89,10.666) 26.809,10.584 ccw(c26.89,10.666) 26.972,10.584 27.047,10.659 cw(c27.128,10.577) 27.21,10.659 cw(c27.128,10.577) 27.21,10.495 27.135,10.42 ccw(c27.217,10.339) 27.135,10.257 ccw(c27.217,10.339) 27.299,10.257 27.374,10.332 cw(c27.455,10.25) 27.537,10.332 cw(c27.455,10.25) 27.537,10.168 27.462,10.094 ccw(c27.544,10.012) 27.462,9.93 ccw(c27.544,10.012) 27.626,9.93 27.7,10.005 cw(c27.782,9.923) 27.864,10.005 cw(c27.782,9.923) 27.864,9.841 27.789,9.767 ccw(c27.871,9.685) 27.789,9.603 ccw(c27.871,9.685) 27.953,9.603 27.96,9.611 cw(c28.042,9.529) 28.124,9.611 28.426,9.309 28.463,9.272 30.5,7.235 30.653,7.082 31.1,6.635 31.1,-7.565 25.166,-13.499 24.823,-13.499 20.635,-17.687 20.635,-19.102 21.434,-19.9 U3100.19@21.701,-19.9